# Altium PCB Diver Sensor.PcbDoc
Units mm, origin at the board's own origin, x right, y up, seen from the top; angles counter-clockwise.
Board outline 78.74 x 53.85 mm, 2 copper layers (Top Layer, Bottom Layer); 98 components, 51 nets, 300 pads, 41 vias.
Unrouted connection lines stored in the file: 39.
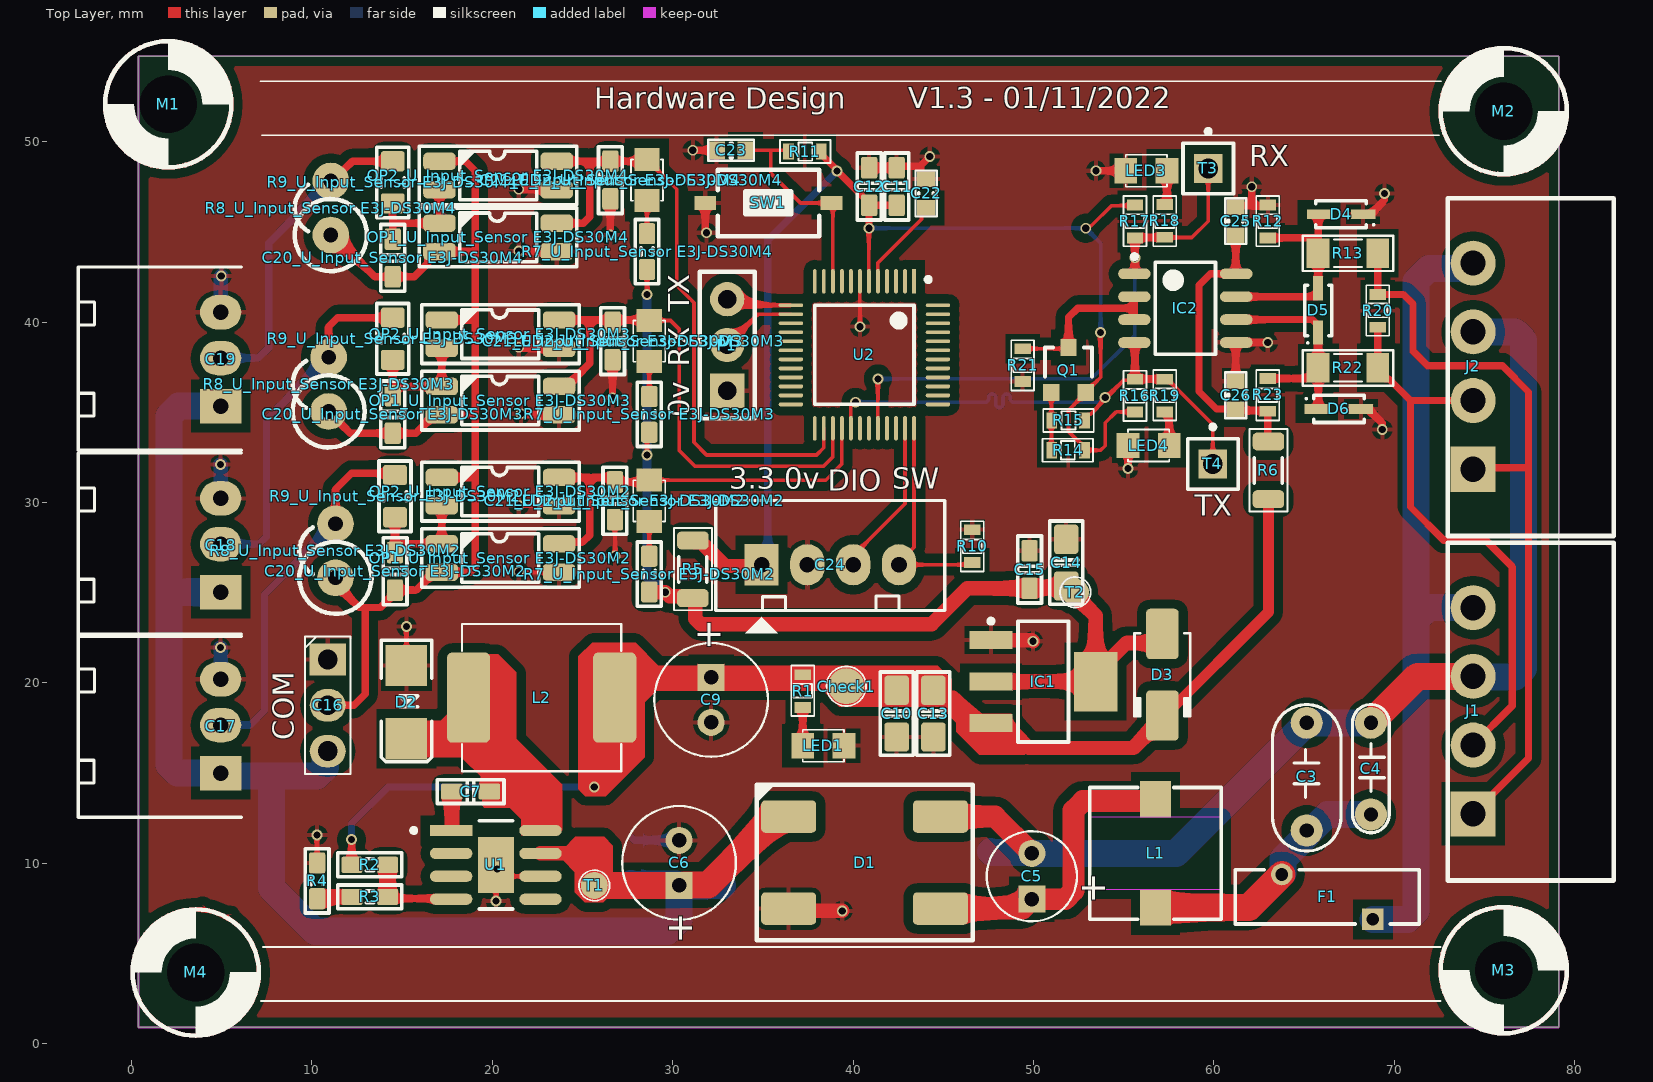
[diagram p0: Top Layer view]
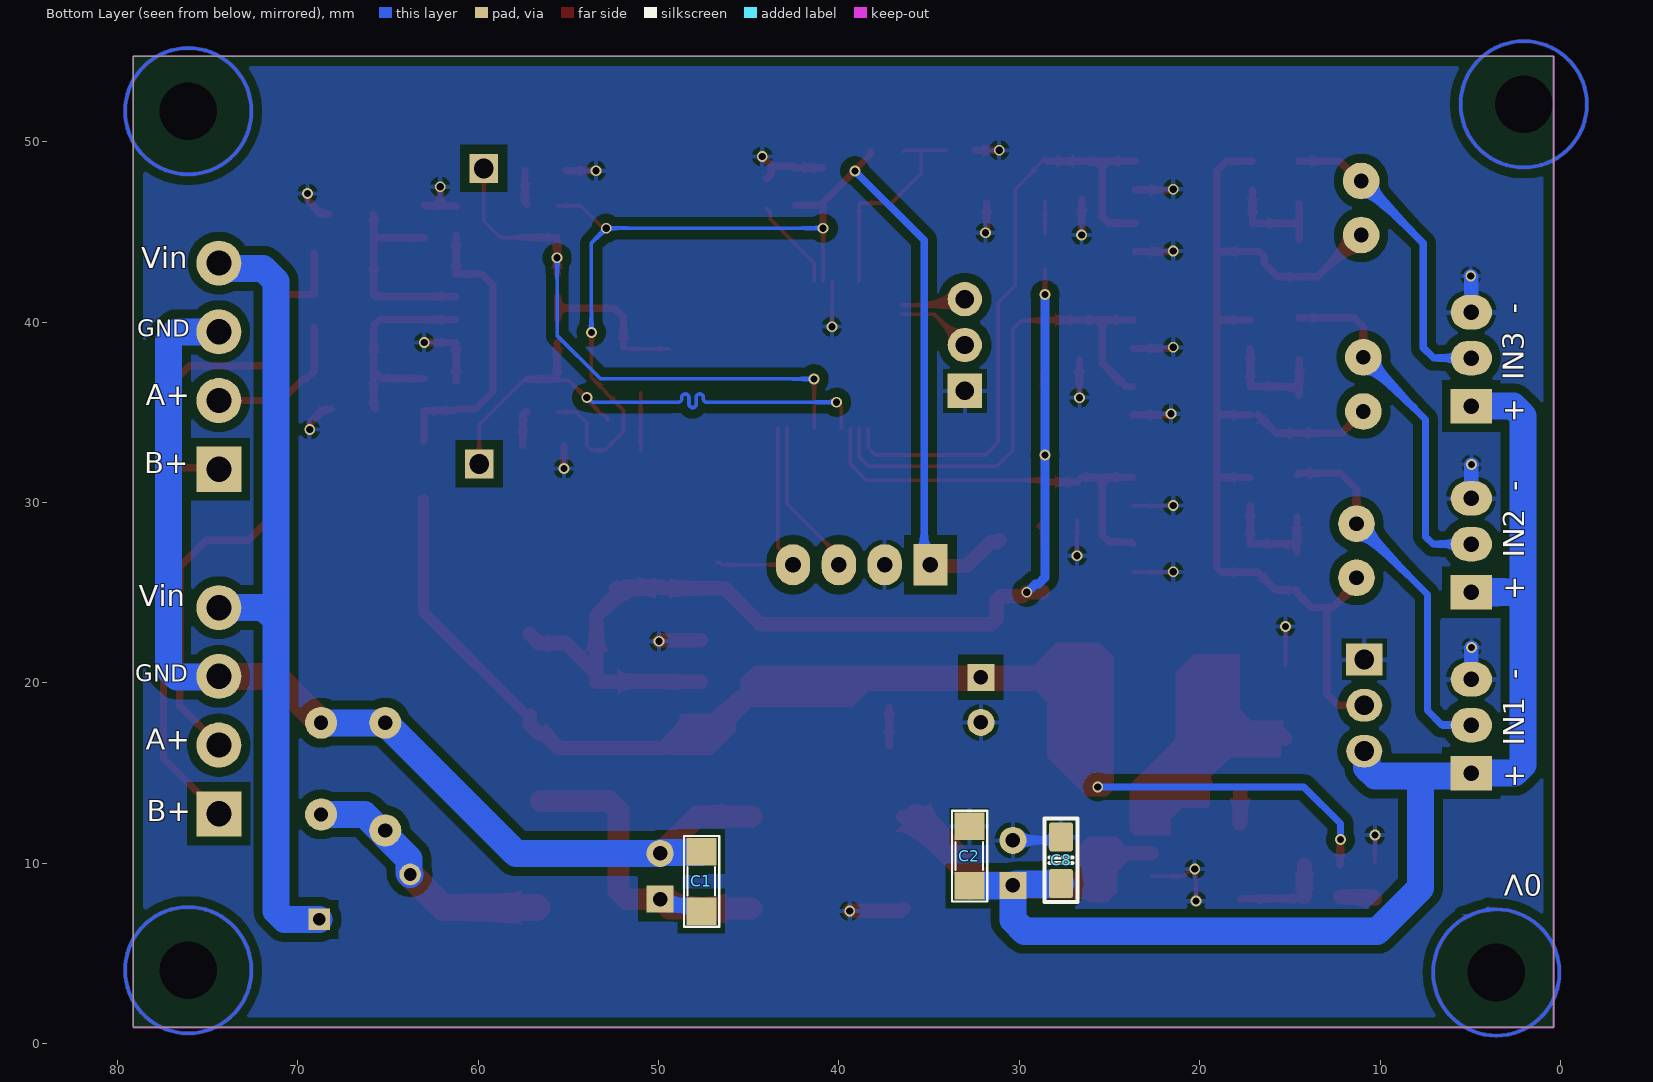
[diagram p1: Bottom Layer view, seen from below]
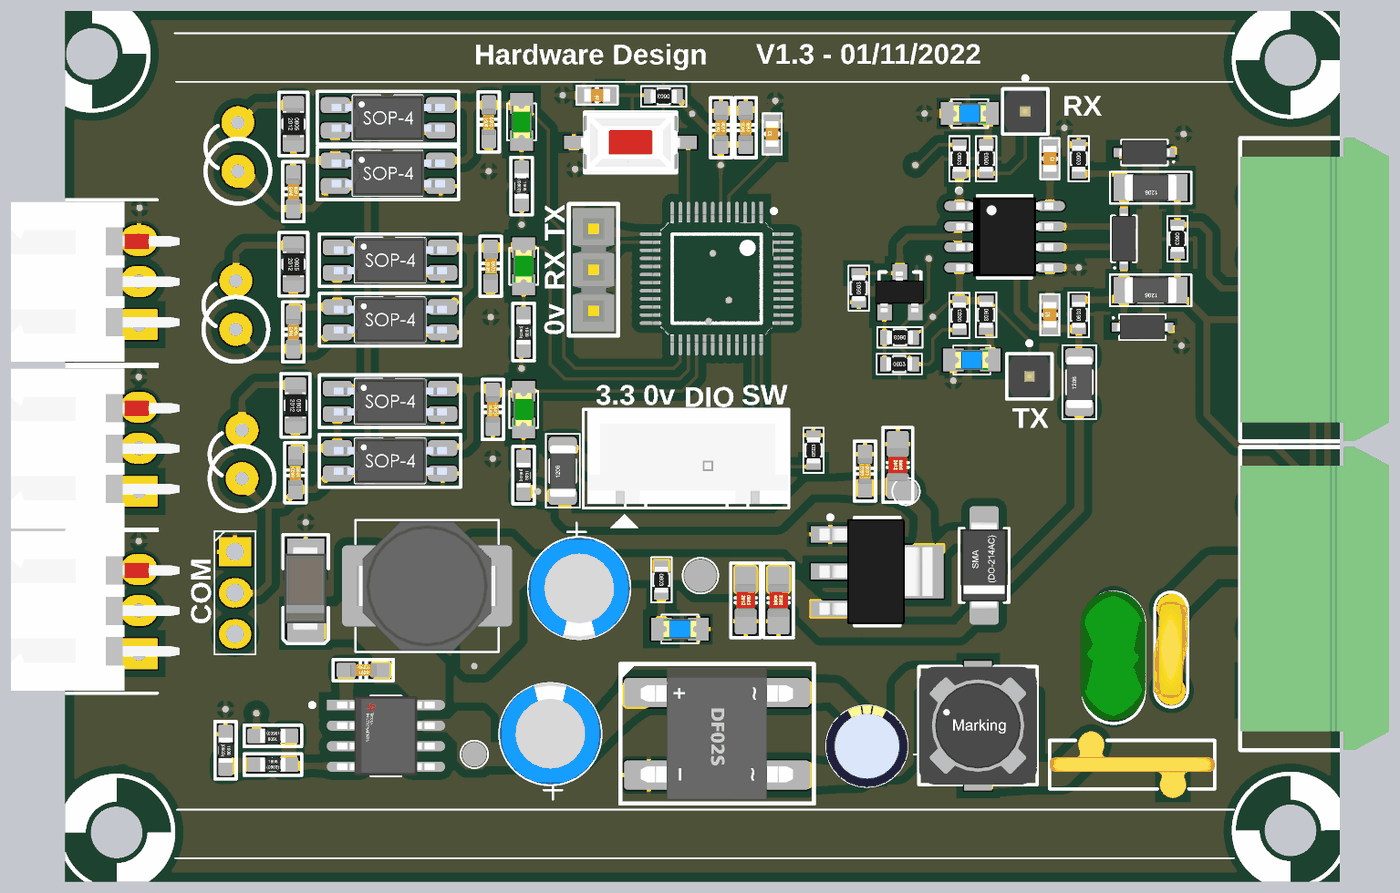
[diagram p2: 3D render of the assembled board from above, using the file's embedded part models]
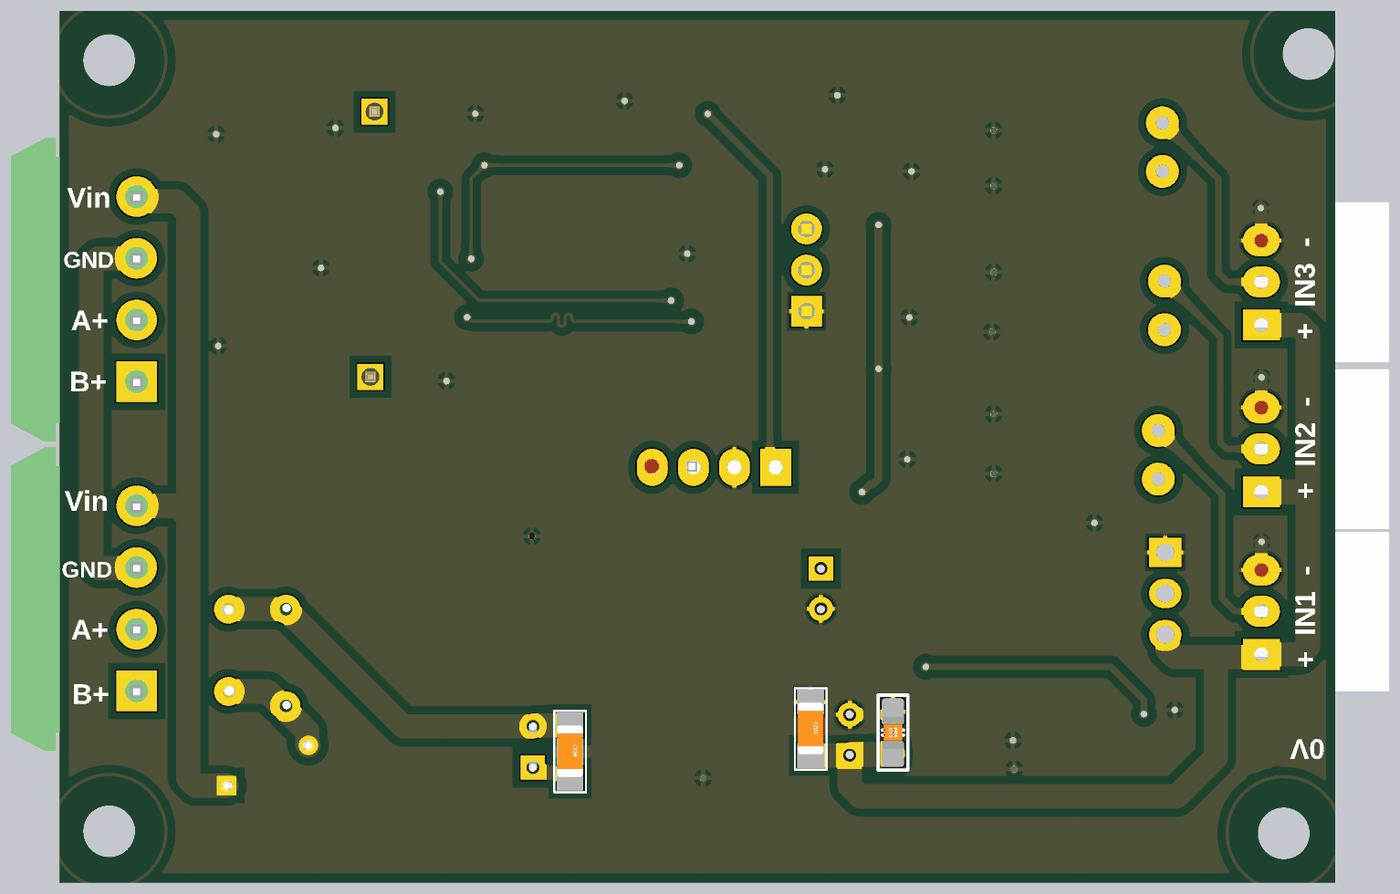
[diagram p3: 3D render of the assembled board from below, using the file's embedded part models]

## Layer stack, top to bottom
Top Solder: solder mask 0.0102, Solder Resist, Dk 3.5
Top Layer: signal copper 0.0356
Dielectric 1: dielectric 0.32, FR-4, Dk 4.8
Bottom Layer: signal copper 0.0356
Bottom Solder: solder mask 0.0102, Solder Resist, Dk 3.5

## Board outline
0.381,0.889 0.381,54.737 79.121,54.737 79.121,0.889

## Design rules (kind name [scope] priority, off if disabled: settings)
Clearance [All] p1: gap=0.254 ignorepadtopadclearanceinfootprint=FALSE except(0: Arc-Hole Track-Hole SMDPad-Hole THPad-Hole Via-Hole Fill-Hole Poly-Hole Region-Hole Text-Hole; 0.5: Arc-Fill Arc-Poly Arc-Region Track-Fill Track-Poly Track-Region SMDPad-Fill SMDPad-Poly SMDPad-Region THPad-Fill THPad-Poly THPad-Region Via-Fill Via-Poly Via-Region Fill-Fill Fill-Poly Fill-Region Poly-Poly Poly-Region Region-Region)
Length [InNet('UART1_TX')] p1: maxlimit=2540 minlimit=0
PolygonConnect [All] p1: connectstyle=Relief reliefconductorwidth=0.254 reliefentries=4 polygonreliefangle="90 Angle" airgapwidth=0.254
RoomDefinition U_Power [InComponentClass('U_Power')] p1: confinementstyle=ConfineIn formatcopy=TRUE lockcomponents=FALSE outline -60.325,-43.688 -9.525,-43.688 -9.525,-18.288 -60.325,-18.288
RoomDefinition "U_Modbus RTU" [InComponentClass('U_Modbus RTU')] p2: confinementstyle=ConfineIn formatcopy=TRUE lockcomponents=FALSE outline -60.325,-43.688 -9.525,-43.688 -9.525,-18.288 -60.325,-18.288
RoomDefinition U_MCU [InComponentClass('U_MCU')] p3: confinementstyle=ConfineIn formatcopy=TRUE lockcomponents=FALSE outline -60.325,-43.688 -9.525,-43.688 -9.525,-18.288 -60.325,-18.288
RoomDefinition "U_Input_Sensor E3J-DS30M4" [InComponentClass('U_Input_Sensor E3J-DS30M4')] p4: confinementstyle=ConfineIn formatcopy=TRUE lockcomponents=FALSE outline -60.325,-43.688 -9.525,-43.688 -9.525,-18.288 -60.325,-18.288
RoomDefinition "U_Input_Sensor E3J-DS30M3" [InComponentClass('U_Input_Sensor E3J-DS30M3')] p5: confinementstyle=ConfineIn formatcopy=TRUE lockcomponents=FALSE outline -60.325,-43.688 -9.525,-43.688 -9.525,-18.288 -60.325,-18.288
RoomDefinition "U_Input_Sensor E3J-DS30M2" [InComponentClass('U_Input_Sensor E3J-DS30M2')] p6: confinementstyle=ConfineIn formatcopy=TRUE lockcomponents=FALSE outline -60.325,-43.688 -9.525,-43.688 -9.525,-18.288 -60.325,-18.288
RoomDefinition U_Input [InComponentClass('U_Input')] p7: confinementstyle=ConfineIn formatcopy=TRUE lockcomponents=FALSE outline -60.325,-43.688 -9.525,-43.688 -9.525,-18.288 -60.325,-18.288
RoutingVias [All] p1: holewidth=0.4 width=0.6 viastyle="Through Hole" minholewidth=0.4 minwidth=0.6 maxholewidth=0.4 maxwidth=0.6
SolderMaskExpansion [All] p1: expansion=0.102 istentingtop=FALSE
Width Rule [All] p1: maxlimit=0.8 minlimit=0.2 preferedwidth=0.4
30 further rules are at their usual default settings.

## Classes and differential pairs
channel class "Input_Sensor E3J-DS30M2": "U_Input_Sensor E3J-DS30M2" "U_Input_Sensor E3J-DS30M3" "U_Input_Sensor E3J-DS30M4" "U_Input_Sensor E3J-DS30M5"
component class U_Power: C1 C2 C3 C4 C5 C6 C7 C8 C9 C10 C11 C12 C13 C14 C15 Check1 D1 D2 D3 F1 IC1 L1 L2 LED1 R1 R2 R3 R4 R5 R6 T1 T2 U1
component class "U_Modbus RTU": C25 C26 D4 D5 D6 IC2 J1 J2 LED3 LED4 Q1 R12 R13 R14 R15 R16 R17 R18 R19 R20 R21 R22 R23 T3 T4
component class U_MCU: C22 C23 C24 M1 M2 M3 M4 P1 R10 R11 SW1 U2
component class U_Input: C16 C17 C18 C19
component class "U_Input_Sensor E3J-DS30M4": "C20_U_Input_Sensor E3J-DS30M4" "C21_U_Input_Sensor E3J-DS30M4" "LED2_U_Input_Sensor E3J-DS30M4" "OP1_U_Input_Sensor E3J-DS30M4" "OP2_U_Input_Sensor E3J-DS30M4" "R7_U_Input_Sensor E3J-DS30M4" "R8_U_Input_Sensor E3J-DS30M4" "R9_U_Input_Sensor E3J-DS30M4"
component class "U_Input_Sensor E3J-DS30M3": "C20_U_Input_Sensor E3J-DS30M3" "C21_U_Input_Sensor E3J-DS30M3" "LED2_U_Input_Sensor E3J-DS30M3" "OP1_U_Input_Sensor E3J-DS30M3" "OP2_U_Input_Sensor E3J-DS30M3" "R7_U_Input_Sensor E3J-DS30M3" "R8_U_Input_Sensor E3J-DS30M3" "R9_U_Input_Sensor E3J-DS30M3"
component class "U_Input_Sensor E3J-DS30M2": "C20_U_Input_Sensor E3J-DS30M2" "C21_U_Input_Sensor E3J-DS30M2" "LED2_U_Input_Sensor E3J-DS30M2" "OP1_U_Input_Sensor E3J-DS30M2" "OP2_U_Input_Sensor E3J-DS30M2" "R7_U_Input_Sensor E3J-DS30M2" "R8_U_Input_Sensor E3J-DS30M2" "R9_U_Input_Sensor E3J-DS30M2"

## Components (designator, comment, footprint, x,y, rotation, side; value= is the part's Value field where it differs from the comment)
C1 "100nF" CN-SMD-1206 47.625,9.017 r270 bottom value=33pF
C2 "100nF" CN-SMD-1206 32.766,10.414 r270 bottom value=33pF
C3 "100nF" CN2.5 65.151,14.986 r270 top value=33pF
C4 "07D330KTR" CN2-T 68.834,15.24 r270 top value=33pF
C5 "1000uF/35V" CA-ALU-5L 49.911,9.271 r90 top value=104
C6 "470uF/35V" CA-ALU-6.3 30.353,10.013 r90 top value=104
C7 "10nF" CAPC1608X90N 18.796,13.97 r0 top
C8 "10µF" CAPC2012X135N 27.686,10.16 r270 bottom
C9 "470uF/35V" CA-ALU-6.3 32.131,19.05 r270 top value=104
C10 "100nF" CAPC2012X135N 42.418,18.288 r270 top
C11 "100nF" CAPC1608X90N 42.418,47.513 r90 top
C12 "100nF" CAPC1608X90N 40.894,47.513 r90 top
C13 "4.7µF" CAPC2012X135N 44.45,18.288 r90 top
C14 "10µF" CAPC2012X135N 51.816,26.66 r270 top
C15 "100nF" CAPC1608X90N 49.784,26.279 r90 top
C16 "JP3" JP3-CLOSED 10.875,21.29 r270 top
C17 "Header3" "Header3 90" 2.54,15.086 r90 top locked
C18 "Header3" "Header3 90" 2.54,25.119 r90 top locked
C19 "Header3" "Header3 90" 2.54,35.433 r90 top locked
"C20_U_Input_Sensor E3J-DS30M2" "100pF" CAPC1608X90N 14.605,26.177 r90 top (schematic designator C20)
"C20_U_Input_Sensor E3J-DS30M3" "100pF" CAPC1608X90N 14.478,34.88 r90 top (schematic designator C20)
"C20_U_Input_Sensor E3J-DS30M4" "100pF" CAPC1608X90N 14.478,43.551 r90 top (schematic designator C20)
"C21_U_Input_Sensor E3J-DS30M2" "100nF" CAPC1608X90N 26.797,30.089 r270 top (schematic designator C21)
"C21_U_Input_Sensor E3J-DS30M3" "100nF" CAPC1608X90N 26.67,38.944 r270 top (schematic designator C21)
"C21_U_Input_Sensor E3J-DS30M4" "100nF" CAPC1608X90N 26.543,47.869 r270 top (schematic designator C21)
C22 "100nF" CN-SMD-0603 44.05,47.125 r90 top value=33pF
C23 "100nF" CN-SMD-0603 33.236,49.519 r180 top value=33pF
C24 "Header4" Header4 34.925,26.543 r0 top
C25 "100nF" CN-SMD-0603 61.214,45.593 r270 top value=33pF
C26 "100nF" CN-SMD-0603 61.214,35.941 r90 top value=33pF
Check1 "5V" SMD-2 39.624,19.812 r270 top
D1 "DF1502S" DIODE_DF_S 40.64,10.033 r180 top
D2 "SS34" DIO-SMD-106 15.24,18.923 r90 top value=1N5007
D3 "1N4007" DO-214AC 57.15,20.447 r270 top
D4 "PSD12C" PSD12C 67.056,45.974 r180 top
D5 "PSD12C" PSD12C 65.786,40.64 r90 top
D6 "PSD12C" PSD12C 66.929,35.179 r0 top
F1 "RUEF185" RUEF165 66.294,8.128 r180 top
IC1 "LM1117IMP-3.3" SOT223 50.546,20.066 r270 top
IC2 "MAX3485" SO8 58.42,40.767 r0 top
J1 "Terminal" 691305340004 77.575,18.45 r90 top locked
J2 "Terminal" 691305340004 77.575,37.55 r90 top locked
L1 "3.3uH" L-SMD-M-7.3x4.5 56.769,10.541 r180 top
L2 "22µH" IND_COIL_8D43 22.733,19.177 r0 top
LED1 "LED" LED-0805-Blue 37.211,16.51 r0 top value="LED 3 - 5 ly 2 Colour"
"LED2_U_Input_Sensor E3J-DS30M2" "LED" LED-0805-Green 28.702,28.946 r90 top value="LED 3 - 5 ly 2 Colour" (schematic designator LED2)
"LED2_U_Input_Sensor E3J-DS30M3" "LED" LED-0805-Green 28.702,37.801 r90 top value="LED 3 - 5 ly 2 Colour" (schematic designator LED2)
"LED2_U_Input_Sensor E3J-DS30M4" "LED" LED-0805-Green 28.575,46.726 r90 top value="LED 3 - 5 ly 2 Colour" (schematic designator LED2)
LED3 "LED" LED-0805-Blue 57.404,48.387 r180 top value="LED 3 - 5 ly 2 Colour"
LED4 "LED" LED-0805-Blue 57.531,33.147 r180 top value="LED 3 - 5 ly 2 Colour"
M1 "VIT - 3.2mm" "VIT - 3.2MM_2" 2.032,52.07 r0 top
M2 "VIT - 3.2mm" "VIT - 3.2MM_2" 76.073,51.689 r90 top
M3 "VIT - 3.2mm" "VIT - 3.2MM_2" 76.073,4.064 r180 top
M4 "VIT - 3.2mm" "VIT - 3.2MM_2" 3.556,3.937 r90 top
"OP1_U_Input_Sensor E3J-DS30M2" "EL3H7" IC_SMD_SSOP4_NEW 20.447,26.914 r0 top (schematic designator OP1)
"OP1_U_Input_Sensor E3J-DS30M3" "EL3H7" IC_SMD_SSOP4_NEW 20.447,35.642 r0 top (schematic designator OP1)
"OP1_U_Input_Sensor E3J-DS30M4" "EL3H7" IC_SMD_SSOP4_NEW 20.32,44.694 r0 top (schematic designator OP1)
"OP2_U_Input_Sensor E3J-DS30M2" "EL3H7" IC_SMD_SSOP4_NEW 20.447,30.597 r0 top (schematic designator OP2)
"OP2_U_Input_Sensor E3J-DS30M3" "EL3H7" IC_SMD_SSOP4_NEW 20.447,39.325 r0 top (schematic designator OP2)
"OP2_U_Input_Sensor E3J-DS30M4" "EL3H7" IC_SMD_SSOP4_NEW 20.32,48.123 r0 top (schematic designator OP2)
P1 "Header 3" "Header 3" 33.02,36.185 r90 top
Q1 "2SA1015" SOT23-321 51.943,37.338 r0 top value=A1015
R1 "220" RES-SMD-0603 37.211,19.558 r270 top
R2 "10K_0603_1%" RESC1608X55N 13.208,9.906 r180 top value=10K
R3 "3K_0603_0.5%" RESC1608X55N 13.208,8.128 r0 top value=3K
R4 "220R_0603_1%" RESC1608X55N 10.287,9.017 r270 top value=220R
R5 "0R/R1206/1%" R1206 31.115,26.289 r90 top
R6 "0R/R1206/1%" R1206 63.025,31.775 r90 top
"R7_U_Input_Sensor E3J-DS30M2" "10K_0603_1%" RESC1608X55N 28.702,26.025 r270 top value=10K (schematic designator R7)
"R7_U_Input_Sensor E3J-DS30M3" "10K_0603_1%" RESC1608X55N 28.702,34.88 r270 top value=10K (schematic designator R7)
"R7_U_Input_Sensor E3J-DS30M4" "10K_0603_1%" RESC1608X55N 28.575,43.906 r270 top value=10K (schematic designator R7)
"R8_U_Input_Sensor E3J-DS30M2" "Metal Film" RES_2W_AXIAL_11x4_STAND 11.303,25.819 r90 top value=1K2 (schematic designator R8)
"R8_U_Input_Sensor E3J-DS30M3" "Metal Film" RES_2W_AXIAL_11x4_STAND 10.922,35.042 r90 top value=1K2 (schematic designator R8)
"R8_U_Input_Sensor E3J-DS30M4" "Metal Film" RES_2W_AXIAL_11x4_STAND 11.049,44.821 r90 top value=1K2 (schematic designator R8)
"R9_U_Input_Sensor E3J-DS30M2" "24K_0805_1%" RESC2012X70N 14.605,30.343 r270 top value=24K (schematic designator R9)
"R9_U_Input_Sensor E3J-DS30M3" "24K_0805_1%" RESC2012X70N 14.478,39.071 r270 top value=24K (schematic designator R9)
"R9_U_Input_Sensor E3J-DS30M4" "24K_0805_1%" RESC2012X70N 14.478,47.742 r270 top value=24K (schematic designator R9)
R10 "10k" RES-SMD-0603 46.609,27.559 r90 top
R11 "10k" RES-SMD-0603 37.35,49.45 r180 top
R12 "4k7" RES-SMD-0603 62.992,45.593 r270 top
R13 "RF1206" RES-SMD-1206 67.437,43.815 r180 top
R14 "220K" RES-SMD-0603 51.905,32.893 r0 top
R15 "7.5k" RES-SMD-0603 51.943,34.544 r180 top
R16 "4k7" RES-SMD-0603 55.626,35.903 r90 top
R17 "4k7" RES-SMD-0603 55.626,45.593 r270 top
R18 "220" RES-SMD-0603 57.277,45.593 r90 top
R19 "220" RES-SMD-0603 57.277,35.941 r270 top
R20 "220" RES-SMD-0603 69.088,40.64 r270 top
R21 "10K" RES-SMD-0603 49.403,37.592 r90 top
R22 "RF1206" RES-SMD-1206 67.437,37.465 r180 top
R23 "4k7" RES-SMD-0603 62.992,35.941 r90 top
SW1 "RST" SW1-SMD 35.306,46.599 r180 top value="SW chip 2 pin"
T1 "Check" SMD_1.5 25.654,8.763 r90 top
T2 "Check" SMD_1.5 52.324,25.019 r90 top
T3 "Test" Test 59.69,48.514 r0 top
T4 "Test" Test 59.944,32.131 r0 top
U1 "TPS5430DDA" TPS5430 20.193,9.906 r0 top
U2 "STM32G070CBT6" STM32G070CBT6 40.629,38.181 r270 top

## Footprints (in the part's own frame and the unit in brackets; to place one, negate y for a bottom-side part, rotate by r counter-clockwise, add the part's x,y. Pads: shape width x height; smd on the part's side, far side on the other; paste and mask are expansions set on the pad)
691305340004 [mm] "Horizontal PCB Header with Plastic Latch, pitch 3.81mm, 04p"
  rect 2.5x2.5 hole 1.4: 1(-5.715,3.2)
  round 2.5 hole 1.4: 2(-1.905,3.2) 3(1.905,3.2) 4(5.715,3.2)
  silkscreen extent -9.42,-4.6 9.32,4.6, body extent -9.42,-4.6 9.32,4.6, height 7.25
CA-ALU-5L [mm] "Polarized capacitors, Aluminum Electrolytic Capacitors, 2-Leads, Body 5x11x2x0.5"
  rect 1.5x1.5 hole 0.8: 1(-1.27,0)
  round 1.5 hole 0.8: 2(1.27,0)
  silkscreen extent -2.5,-2.5 2.5,2.5, body extent -2.54,-2.54 2.54,2.54, height 13.9
CA-ALU-6.3 [mm] "Polarized capacitors, Aluminum Electrolytic Capacitors, 2-Leads, Body 6.3x15x2.5x0.5"
  rect 1.5x1.5 hole 0.8: 1(-1.25,0)
  round 1.5 hole 0.8: 2(1.25,0)
  silkscreen extent -3.15,-3.15 3.15,3.15, body extent -3.12,-3.15 3.18,3.15, height 11
CAPC1608X90N [mm]
  round 0.254 on Mech15: 0(0,0)
  rrect25% 1.2x0.9 smd: 1(-1.041,0) 2(1.041,0)
  Top Layer pour cut-out: -0.356,0.508 -0.356,0.523 -0.344,0.551 -0.323,0.573 -0.295,0.584 -0.279,0.584 -0.279,0.584 0.279,0.584 0.295,0.584 0.323,0.573 0.344,0.551 0.356,0.523 0.356,0.508 0.356,0.508 0.356,-0.508 0.356,-0.523 0.344,-0.551 0.323,-0.573 0.295,-0.584 0.279,-0.584 0.279,-0.584 -0.279,-0.584 -0.295,-0.584 -0.323,-0.573 -0.344,-0.551 -0.356,-0.523 -0.356,-0.508 -0.356,-0.508
  silkscreen extent -1.85,-0.66 1.85,0.66, body extent -0.8,-0.4 0.8,0.4, height 0.79
CAPC2012X135N [mm]
  round 0.254 on Mech15: 0(0,0)
  rrect25% 1.62x1.35 smd: 1(-1.295,0) 2(1.295,0)
  Top Layer pour cut-out: -0.381,0.686 -0.381,0.711 -0.362,0.758 -0.326,0.793 -0.279,0.813 -0.254,0.813 -0.254,0.813 0.254,0.813 0.279,0.813 0.326,0.793 0.362,0.758 0.381,0.711 0.381,0.686 0.381,0.686 0.381,-0.686 0.381,-0.711 0.362,-0.758 0.326,-0.793 0.279,-0.813 0.254,-0.813 0.254,-0.813 -0.254,-0.813 -0.279,-0.813 -0.326,-0.793 -0.362,-0.758 -0.381,-0.711 -0.381,-0.686 -0.381,-0.686
  silkscreen extent -2.31,-0.91 2.31,0.91, body extent -1,-0.62 1,0.63, height 0.89
CN2-T [mil]
  round 70 hole 31: 1(-100,-5) 2(100,-5)
  silkscreen extent -140,-45 140,35, body extent -118,-48 118,35, height 319
CN2.5 [mil] "Tu pin to pin 250mil"
  round 70 hole 31: 1(-110,0) 2(125,0)
  silkscreen extent -150,-75 170,75, body extent -152,-80 162,77, height 539
CN-SMD-0603 [mm]
  rect 0.9x1 smd: 1(-0.8,0) 2(0.8,0)
  silkscreen extent -1.27,-0.58 1.27,0.58, body extent -0.8,-0.4 0.8,0.4, height 0.3
CN-SMD-1206 [mil]
  rect 60x65 smd: 1(-64,0) 2(66,0)
  silkscreen extent -98,-38 100,39, body extent -63,-31 63,31, height 40
DIO-SMD-106 [mil]
  rect 90x90.55 smd: 1(80,0) 2(-80,0)
  silkscreen extent -130,-55 135,55, body extent -99,-50 106,52, height 95
DIODE_DF_S [mm]
  round 0.508 on Mech15: 0(0,0)
  rrect25% 3.048x1.8 smd: 1(4.209,-2.55) 2(-4.209,-2.55) 3(4.209,2.55) 4(-4.209,2.55)
  silkscreen extent -5.99,-4.32 5.99,4.32, body extent -4.7,-4.06 4.7,4.07, height 2.71
DO-214AC [mil]
  round 20 on Mech15: 0(0,0)
  rrect25% 110x70.87 smd mask+0: A(-89,0)
  rrect25% 110x70.87 smd mask-2: C(89,0)
  silkscreen extent -91,-61 91,61, body extent -108,-55 108,55, height 102
"Header3 90" [mil] "CON 3"
  rect 75x90 hole 34: 1(-3.94,-94.49)
  oval 75x90 hole 34: 2(101.06,-94.49) 3(201.06,-94.49)
  silkscreen extent -100,-139 300,217, body extent -94,-193 295,217, height 231
Header4 [mil] "CON4"
  rect 75x90 hole 34: 1(0,0)
  oval 75x90 hole 34: 2(100,0) 3(200,0) 4(300,0)
  silkscreen extent -100,-150 400,140, body extent -90,-90 398,136, height 276
"Header 3" [mil] "Connector; Header; 3 Position; Solder Pad 35mil"
  rect 75x75 hole 40: 1(0,0)
  round 75 hole 40: 2(100,0) 3(200,0)
  silkscreen extent -60,-60 260,60, body extent -50,-50 250,50, height 83
IC_SMD_SSOP4_NEW [mil]
  rrect50% 70.87x38 smd: 1(-128,31) 2(-128,-31) 3(128,-31) 4(128,31)
  silkscreen extent -172,-64 172,64, body extent -137,-56 139,55, height 83
IND_COIL_8D43 [mm]
  round 0.5 on Mech3: 0(0,0)
  rrect25% 2.4x5 smd mask-0.102: 1(-4.05,0) 2(4.05,0)
  silkscreen extent -4.42,-4.08 4.42,4.08, body extent -4.34,-4 4.34,4, height 4.63
JP3-CLOSED [mm]
  rect 1.8x2 hole 1.1: 1(0,0)
  oval 1.8x2 hole 1.1: 2(2.54,0) 3(5.08,0)
  silkscreen extent -1.27,-1.27 6.35,1.27, body extent -1.32,-1.27 6.35,1.27, height 7.62
L-SMD-M-7.3x4.5 [mm] "WE-PDA SMD Shielded Power Inductor, 7345"
  rect 1.7x2 smd: 1(0,3) 2(0,-3)
  Top Layer keep-out region: -3.65,-2 3.65,-2 3.65,2 -3.65,2
  silkscreen extent -3.65,-3.65 3.65,3.65, body extent -3.65,-3.65 3.65,3.65, height 4.05
LED-0805-Blue [mil]
  rect 50x55 smd: 1(0,0) 2(90,0)
  silkscreen extent 0,-35 90,35, body extent 5,-25 85,25, height 43
LED-0805-Green [mil]
  rect 50x55 smd: 1(0,0) 2(90,0)
  silkscreen extent 0,-35 90,35, body extent 5,-25 85,25, height 43
PSD12C [mm] "Molded Diode, 2-Leads, Body 2.60x1.35mm, IPC Medium Density"
  rect 1.35x0.55 smd: 1(-1.225,0) 2(1.225,0)
  silkscreen extent -1.85,-0.75 1.4,0.75, body extent -1.62,-0.75 1.62,0.75, height 1.1
R1206 [mm]
  rrect50% 1x1.75 smd: 1(-1.6,0) 2(1.6,0)
  silkscreen extent -2.27,-1.06 2.29,1.04, body extent -1.61,-0.81 1.59,0.79, height 1
RES-SMD-0603 [mm]
  rect 0.6x0.9 smd: 1(-0.889,0) 2(0.927,0)
  silkscreen extent -1.4,-0.64 1.4,0.63, body extent -0.8,-0.4 0.8,0.4, height 0.43
RES-SMD-1206 [mil]
  rect 50x65 smd: 1(-65,0) 2(65,0)
  silkscreen extent -99,-38 99,39, body extent -63,-31 63,32, height 40
RES_2W_AXIAL_11x4_STAND [mil]
  round 80 hole 32: 1(0,0) 2(118.11,0)
  silkscreen extent -79,-79 110,79
RESC1608X55N [mm]
  round 0.254 on Mech3: 0(0,0)
  rrect25% 1.17x0.9 smd: 1(-0.991,0) 2(0.991,0)
  Top Layer pour cut-out: -0.356,0.508 -0.356,0.523 -0.344,0.551 -0.323,0.573 -0.295,0.584 -0.279,0.584 -0.279,0.584 0.279,0.584 0.295,0.584 0.323,0.573 0.344,0.551 0.356,0.523 0.356,0.508 0.356,0.508 0.356,-0.508 0.356,-0.523 0.344,-0.551 0.323,-0.573 0.295,-0.584 0.279,-0.584 0.279,-0.584 -0.279,-0.584 -0.295,-0.584 -0.323,-0.573 -0.344,-0.551 -0.356,-0.523 -0.356,-0.508 -0.356,-0.508